# Altium PCB PCB22.PcbDoc (part 4 of 16) (continued)
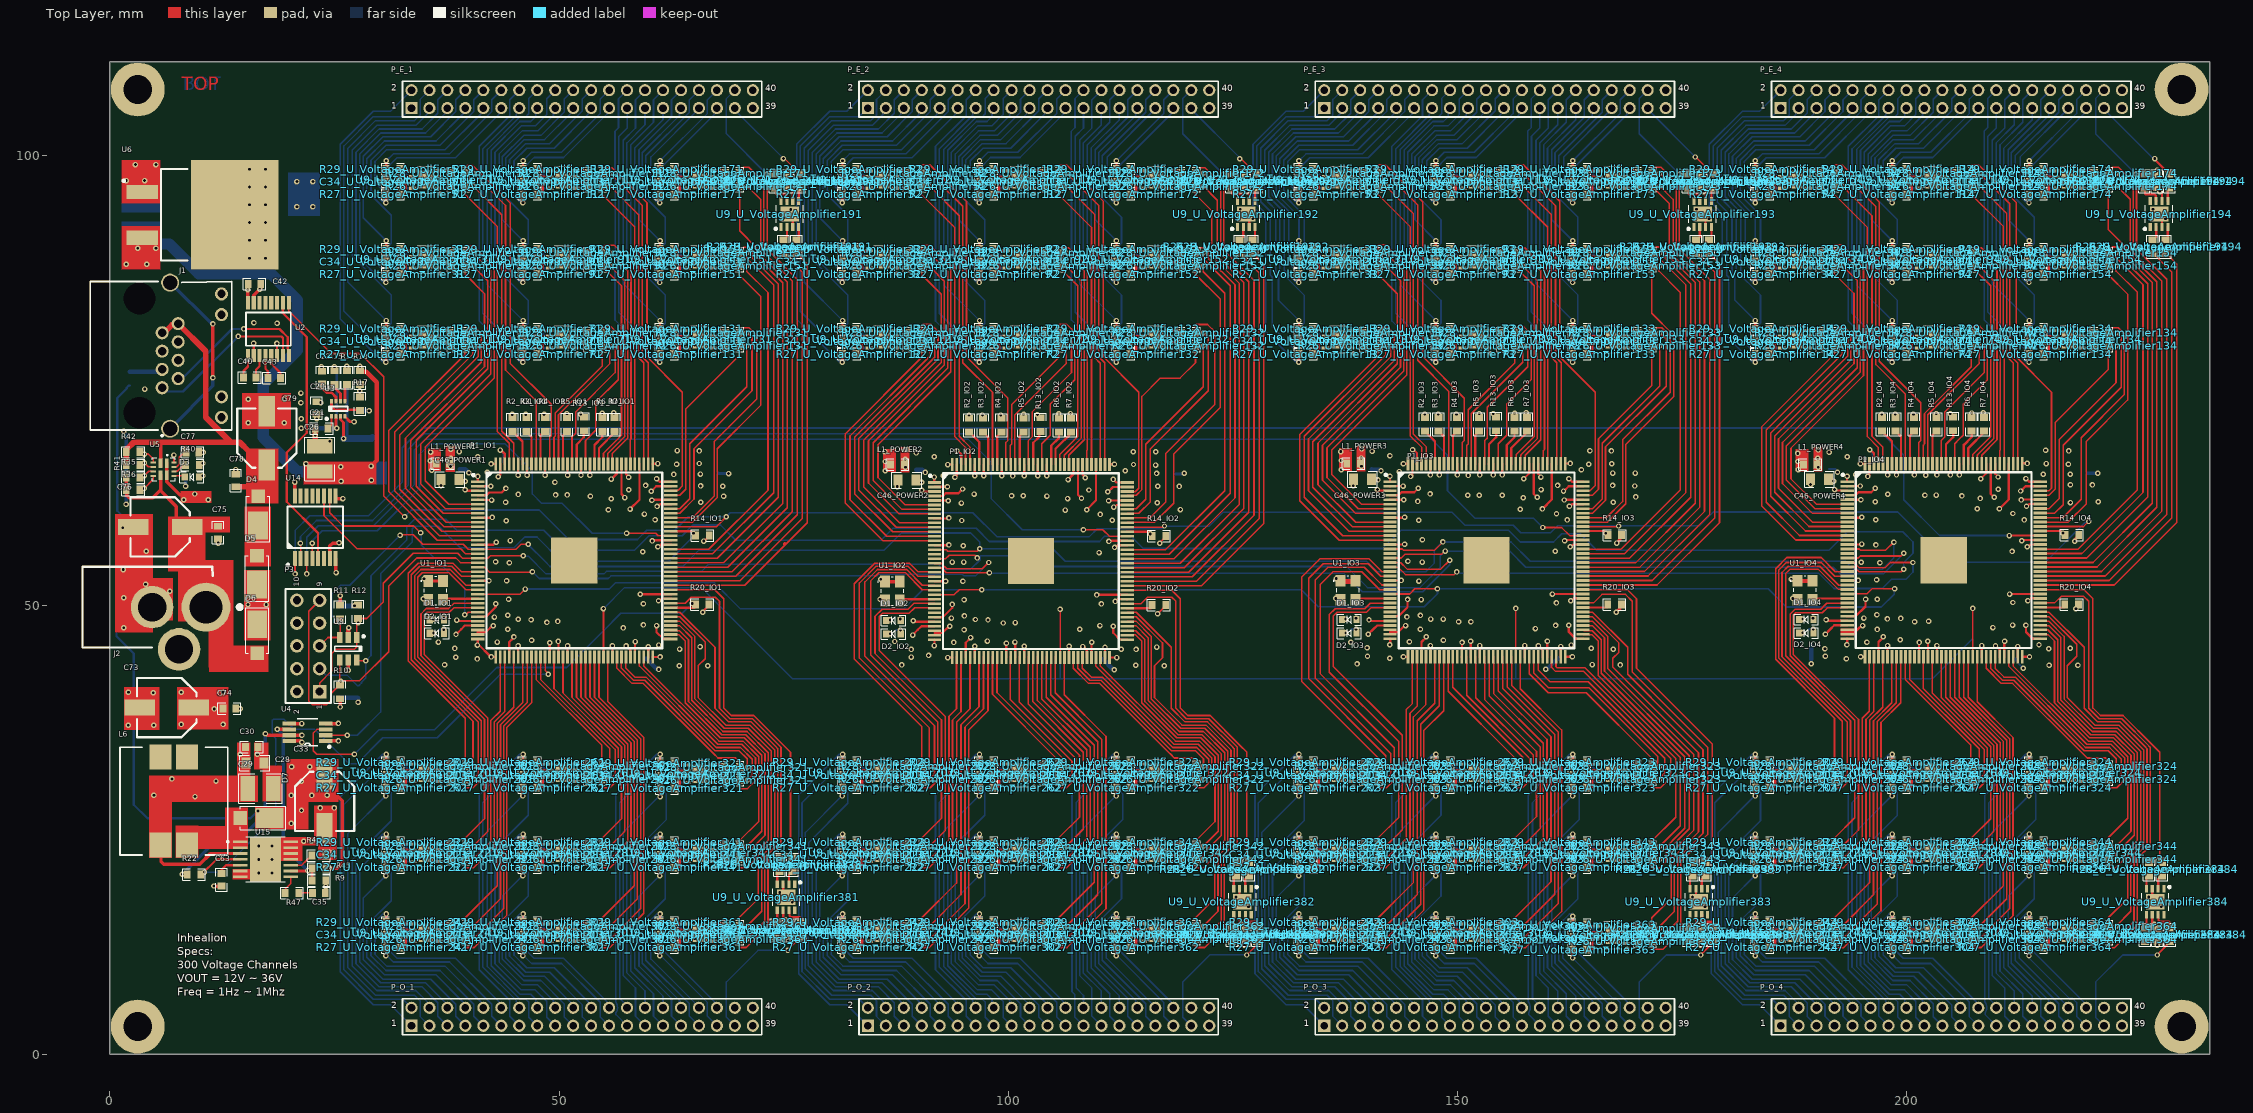
[diagram p0: Top Layer view]
## Components (designator, comment, footprint, x,y, rotation, side; value= is the part's Value field where it differs from the comment) (continued)
U1_IO2 "OSC-25" ASE-25.000MHZ-LC-T 87.085,51.58 r270 top value=25MHZ (schematic designator U1)
U1_IO3 "OSC-25" ASE-25.000MHZ-LC-T 137.807,51.667 r270 top value=25MHZ (schematic designator U1)
U1_IO4 "OSC-25" ASE-25.000MHZ-LC-T 188.683,51.671 r270 top value=25MHZ (schematic designator U1)
U2 "MAX3232CPWR" MAX3232CPWR 17.632,80.731 r90 top
U3 "MP2333HGTL" MP2333HGTL-P 25.421,71.876 r90 top value=3.3V
U4 "MCP4562" MCP4562T-503E/MS 21.983,35.854 r180 top value=50K
U5 "TPS2121" TPS2121RUXT 5.979,65.146 r270 top
U6 "LD1085D2T33R" LD1085D2T33R 13.871,93.456 r0 top value=3.3V
U8 "NUP4114" NUP4114HMR6T1G 26.524,45.153 r270 top value=TVS
U9_U_VoltageAmplifier11 "IX4427MTR" IX4427MTR 35.158,79.603 r180 top (schematic designator U9)
U9_U_VoltageAmplifier12 "IX4427MTR" IX4427MTR 85.958,79.603 r180 top (schematic designator U9)
U9_U_VoltageAmplifier13 "IX4427MTR" IX4427MTR 136.758,79.603 r180 top (schematic designator U9)
U9_U_VoltageAmplifier14 "IX4427MTR" IX4427MTR 187.558,79.603 r180 top (schematic designator U9)
U9_U_VoltageAmplifier21 "IX4427MTR" IX4427MTR 35.158,79.603 r180 bottom (schematic designator U9)
U9_U_VoltageAmplifier22 "IX4427MTR" IX4427MTR 85.958,79.603 r180 bottom (schematic designator U9)
U9_U_VoltageAmplifier23 "IX4427MTR" IX4427MTR 136.758,79.603 r180 bottom (schematic designator U9)
U9_U_VoltageAmplifier24 "IX4427MTR" IX4427MTR 187.558,79.603 r180 bottom (schematic designator U9)
U9_U_VoltageAmplifier31 "IX4427MTR" IX4427MTR 35.158,88.493 r180 top (schematic designator U9)
U9_U_VoltageAmplifier32 "IX4427MTR" IX4427MTR 85.958,88.493 r180 top (schematic designator U9)
U9_U_VoltageAmplifier33 "IX4427MTR" IX4427MTR 136.758,88.493 r180 top (schematic designator U9)
U9_U_VoltageAmplifier34 "IX4427MTR" IX4427MTR 187.558,88.493 r180 top (schematic designator U9)
U9_U_VoltageAmplifier41 "IX4427MTR" IX4427MTR 35.158,88.493 r180 bottom (schematic designator U9)
U9_U_VoltageAmplifier42 "IX4427MTR" IX4427MTR 85.958,88.493 r180 bottom (schematic designator U9)
U9_U_VoltageAmplifier43 "IX4427MTR" IX4427MTR 136.758,88.493 r180 bottom (schematic designator U9)
U9_U_VoltageAmplifier44 "IX4427MTR" IX4427MTR 187.558,88.493 r180 bottom (schematic designator U9)
U9_U_VoltageAmplifier51 "IX4427MTR" IX4427MTR 35.158,97.383 r180 top (schematic designator U9)
U9_U_VoltageAmplifier52 "IX4427MTR" IX4427MTR 85.958,97.383 r180 top (schematic designator U9)
U9_U_VoltageAmplifier53 "IX4427MTR" IX4427MTR 136.758,97.383 r180 top (schematic designator U9)
U9_U_VoltageAmplifier54 "IX4427MTR" IX4427MTR 187.558,97.383 r180 top (schematic designator U9)
U9_U_VoltageAmplifier61 "IX4427MTR" IX4427MTR 35.158,97.383 r180 bottom (schematic designator U9)
U9_U_VoltageAmplifier62 "IX4427MTR" IX4427MTR 85.958,97.383 r180 bottom (schematic designator U9)
U9_U_VoltageAmplifier63 "IX4427MTR" IX4427MTR 136.758,97.383 r180 bottom (schematic designator U9)
U9_U_VoltageAmplifier64 "IX4427MTR" IX4427MTR 187.558,97.383 r180 bottom (schematic designator U9)
U9_U_VoltageAmplifier71 "IX4427MTR" IX4427MTR 50.398,79.603 r180 top (schematic designator U9)
U9_U_VoltageAmplifier72 "IX4427MTR" IX4427MTR 101.198,79.603 r180 top (schematic designator U9)
U9_U_VoltageAmplifier73 "IX4427MTR" IX4427MTR 151.998,79.603 r180 top (schematic designator U9)
U9_U_VoltageAmplifier74 "IX4427MTR" IX4427MTR 202.798,79.603 r180 top (schematic designator U9)
U9_U_VoltageAmplifier81 "IX4427MTR" IX4427MTR 50.398,79.603 r180 bottom (schematic designator U9)
U9_U_VoltageAmplifier82 "IX4427MTR" IX4427MTR 101.198,79.603 r180 bottom (schematic designator U9)
U9_U_VoltageAmplifier83 "IX4427MTR" IX4427MTR 151.998,79.603 r180 bottom (schematic designator U9)
U9_U_VoltageAmplifier84 "IX4427MTR" IX4427MTR 202.798,79.603 r180 bottom (schematic designator U9)
U9_U_VoltageAmplifier91 "IX4427MTR" IX4427MTR 50.398,88.493 r180 top (schematic designator U9)
U9_U_VoltageAmplifier92 "IX4427MTR" IX4427MTR 101.198,88.493 r180 top (schematic designator U9)
U9_U_VoltageAmplifier93 "IX4427MTR" IX4427MTR 151.998,88.493 r180 top (schematic designator U9)
U9_U_VoltageAmplifier94 "IX4427MTR" IX4427MTR 202.798,88.493 r180 top (schematic designator U9)
U9_U_VoltageAmplifier101 "IX4427MTR" IX4427MTR 50.398,88.493 r180 bottom (schematic designator U9)
U9_U_VoltageAmplifier102 "IX4427MTR" IX4427MTR 101.198,88.493 r180 bottom (schematic designator U9)
U9_U_VoltageAmplifier103 "IX4427MTR" IX4427MTR 151.998,88.493 r180 bottom (schematic designator U9)
U9_U_VoltageAmplifier104 "IX4427MTR" IX4427MTR 202.798,88.493 r180 bottom (schematic designator U9)
U9_U_VoltageAmplifier111 "IX4427MTR" IX4427MTR 50.398,97.383 r180 top (schematic designator U9)
U9_U_VoltageAmplifier112 "IX4427MTR" IX4427MTR 101.198,97.383 r180 top (schematic designator U9)
U9_U_VoltageAmplifier113 "IX4427MTR" IX4427MTR 151.998,97.383 r180 top (schematic designator U9)
U9_U_VoltageAmplifier114 "IX4427MTR" IX4427MTR 202.798,97.383 r180 top (schematic designator U9)
U9_U_VoltageAmplifier121 "IX4427MTR" IX4427MTR 50.398,97.383 r180 bottom (schematic designator U9)
U9_U_VoltageAmplifier122 "IX4427MTR" IX4427MTR 101.198,97.383 r180 bottom (schematic designator U9)
U9_U_VoltageAmplifier123 "IX4427MTR" IX4427MTR 151.998,97.383 r180 bottom (schematic designator U9)
U9_U_VoltageAmplifier124 "IX4427MTR" IX4427MTR 202.798,97.383 r180 bottom (schematic designator U9)
U9_U_VoltageAmplifier131 "IX4427MTR" IX4427MTR 65.638,79.603 r180 top (schematic designator U9)
U9_U_VoltageAmplifier132 "IX4427MTR" IX4427MTR 116.438,79.603 r180 top (schematic designator U9)
U9_U_VoltageAmplifier133 "IX4427MTR" IX4427MTR 167.238,79.603 r180 top (schematic designator U9)
U9_U_VoltageAmplifier134 "IX4427MTR" IX4427MTR 218.038,79.603 r180 top (schematic designator U9)
U9_U_VoltageAmplifier141 "IX4427MTR" IX4427MTR 65.638,79.603 r180 bottom (schematic designator U9)
U9_U_VoltageAmplifier142 "IX4427MTR" IX4427MTR 116.438,79.603 r180 bottom (schematic designator U9)
U9_U_VoltageAmplifier143 "IX4427MTR" IX4427MTR 167.238,79.603 r180 bottom (schematic designator U9)
U9_U_VoltageAmplifier144 "IX4427MTR" IX4427MTR 218.038,79.603 r180 bottom (schematic designator U9)
U9_U_VoltageAmplifier151 "IX4427MTR" IX4427MTR 65.638,88.493 r180 top (schematic designator U9)
U9_U_VoltageAmplifier152 "IX4427MTR" IX4427MTR 116.438,88.493 r180 top (schematic designator U9)
U9_U_VoltageAmplifier153 "IX4427MTR" IX4427MTR 167.238,88.493 r180 top (schematic designator U9)
U9_U_VoltageAmplifier154 "IX4427MTR" IX4427MTR 218.038,88.493 r180 top (schematic designator U9)
U9_U_VoltageAmplifier161 "IX4427MTR" IX4427MTR 65.638,88.493 r180 bottom (schematic designator U9)
U9_U_VoltageAmplifier162 "IX4427MTR" IX4427MTR 116.438,88.493 r180 bottom (schematic designator U9)
U9_U_VoltageAmplifier163 "IX4427MTR" IX4427MTR 167.238,88.493 r180 bottom (schematic designator U9)
U9_U_VoltageAmplifier164 "IX4427MTR" IX4427MTR 218.038,88.493 r180 bottom (schematic designator U9)
U9_U_VoltageAmplifier171 "IX4427MTR" IX4427MTR 65.638,97.383 r180 top (schematic designator U9)
U9_U_VoltageAmplifier172 "IX4427MTR" IX4427MTR 116.438,97.383 r180 top (schematic designator U9)
U9_U_VoltageAmplifier173 "IX4427MTR" IX4427MTR 167.238,97.383 r180 top (schematic designator U9)
U9_U_VoltageAmplifier174 "IX4427MTR" IX4427MTR 218.038,97.383 r180 top (schematic designator U9)
U9_U_VoltageAmplifier181 "IX4427MTR" IX4427MTR 65.638,97.383 r180 bottom (schematic designator U9)
U9_U_VoltageAmplifier182 "IX4427MTR" IX4427MTR 116.438,97.383 r180 bottom (schematic designator U9)
U9_U_VoltageAmplifier183 "IX4427MTR" IX4427MTR 167.238,97.383 r180 bottom (schematic designator U9)
U9_U_VoltageAmplifier184 "IX4427MTR" IX4427MTR 218.038,97.383 r180 bottom (schematic designator U9)
U9_U_VoltageAmplifier191 "IX4427MTR" IX4427MTR 75.683,93.54 r90 top (schematic designator U9)
U9_U_VoltageAmplifier192 "IX4427MTR" IX4427MTR 126.483,93.54 r90 top (schematic designator U9)
U9_U_VoltageAmplifier193 "IX4427MTR" IX4427MTR 177.283,93.54 r90 top (schematic designator U9)
U9_U_VoltageAmplifier194 "IX4427MTR" IX4427MTR 228.083,93.54 r90 top (schematic designator U9)
U9_U_VoltageAmplifier201 "IX4427MTR" IX4427MTR 35.158,31.343 r180 top (schematic designator U9)
U9_U_VoltageAmplifier202 "IX4427MTR" IX4427MTR 85.958,31.343 r180 top (schematic designator U9)
U9_U_VoltageAmplifier203 "IX4427MTR" IX4427MTR 136.758,31.343 r180 top (schematic designator U9)
U9_U_VoltageAmplifier204 "IX4427MTR" IX4427MTR 187.558,31.343 r180 top (schematic designator U9)
U9_U_VoltageAmplifier211 "IX4427MTR" IX4427MTR 35.158,31.343 r180 bottom (schematic designator U9)
U9_U_VoltageAmplifier212 "IX4427MTR" IX4427MTR 85.958,31.343 r180 bottom (schematic designator U9)
U9_U_VoltageAmplifier213 "IX4427MTR" IX4427MTR 136.758,31.343 r180 bottom (schematic designator U9)
U9_U_VoltageAmplifier214 "IX4427MTR" IX4427MTR 187.558,31.343 r180 bottom (schematic designator U9)
U9_U_VoltageAmplifier221 "IX4427MTR" IX4427MTR 35.158,22.453 r180 top (schematic designator U9)
U9_U_VoltageAmplifier222 "IX4427MTR" IX4427MTR 85.958,22.453 r180 top (schematic designator U9)
U9_U_VoltageAmplifier223 "IX4427MTR" IX4427MTR 136.758,22.453 r180 top (schematic designator U9)
U9_U_VoltageAmplifier224 "IX4427MTR" IX4427MTR 187.558,22.453 r180 top (schematic designator U9)
U9_U_VoltageAmplifier231 "IX4427MTR" IX4427MTR 35.158,22.453 r180 bottom (schematic designator U9)
U9_U_VoltageAmplifier232 "IX4427MTR" IX4427MTR 85.958,22.453 r180 bottom (schematic designator U9)
U9_U_VoltageAmplifier233 "IX4427MTR" IX4427MTR 136.758,22.453 r180 bottom (schematic designator U9)
U9_U_VoltageAmplifier234 "IX4427MTR" IX4427MTR 187.558,22.453 r180 bottom (schematic designator U9)
U9_U_VoltageAmplifier241 "IX4427MTR" IX4427MTR 35.158,13.563 r180 top (schematic designator U9)
U9_U_VoltageAmplifier242 "IX4427MTR" IX4427MTR 85.958,13.563 r180 top (schematic designator U9)
U9_U_VoltageAmplifier243 "IX4427MTR" IX4427MTR 136.758,13.563 r180 top (schematic designator U9)
U9_U_VoltageAmplifier244 "IX4427MTR" IX4427MTR 187.558,13.563 r180 top (schematic designator U9)
U9_U_VoltageAmplifier251 "IX4427MTR" IX4427MTR 35.158,13.563 r180 bottom (schematic designator U9)
U9_U_VoltageAmplifier252 "IX4427MTR" IX4427MTR 85.958,13.563 r180 bottom (schematic designator U9)
U9_U_VoltageAmplifier253 "IX4427MTR" IX4427MTR 136.758,13.563 r180 bottom (schematic designator U9)
U9_U_VoltageAmplifier254 "IX4427MTR" IX4427MTR 187.558,13.563 r180 bottom (schematic designator U9)
U9_U_VoltageAmplifier261 "IX4427MTR" IX4427MTR 50.398,31.343 r180 top (schematic designator U9)
U9_U_VoltageAmplifier262 "IX4427MTR" IX4427MTR 101.198,31.343 r180 top (schematic designator U9)
U9_U_VoltageAmplifier263 "IX4427MTR" IX4427MTR 151.998,31.343 r180 top (schematic designator U9)
U9_U_VoltageAmplifier264 "IX4427MTR" IX4427MTR 202.798,31.343 r180 top (schematic designator U9)
U9_U_VoltageAmplifier271 "IX4427MTR" IX4427MTR 50.398,31.343 r180 bottom (schematic designator U9)
U9_U_VoltageAmplifier272 "IX4427MTR" IX4427MTR 101.198,31.343 r180 bottom (schematic designator U9)
U9_U_VoltageAmplifier273 "IX4427MTR" IX4427MTR 151.998,31.343 r180 bottom (schematic designator U9)
U9_U_VoltageAmplifier274 "IX4427MTR" IX4427MTR 202.798,31.343 r180 bottom (schematic designator U9)
U9_U_VoltageAmplifier281 "IX4427MTR" IX4427MTR 50.398,22.453 r180 top (schematic designator U9)
U9_U_VoltageAmplifier282 "IX4427MTR" IX4427MTR 101.198,22.453 r180 top (schematic designator U9)
U9_U_VoltageAmplifier283 "IX4427MTR" IX4427MTR 151.998,22.453 r180 top (schematic designator U9)
U9_U_VoltageAmplifier284 "IX4427MTR" IX4427MTR 202.798,22.453 r180 top (schematic designator U9)
U9_U_VoltageAmplifier291 "IX4427MTR" IX4427MTR 50.398,22.453 r180 bottom (schematic designator U9)
U9_U_VoltageAmplifier292 "IX4427MTR" IX4427MTR 101.198,22.453 r180 bottom (schematic designator U9)
U9_U_VoltageAmplifier293 "IX4427MTR" IX4427MTR 151.998,22.453 r180 bottom (schematic designator U9)
U9_U_VoltageAmplifier294 "IX4427MTR" IX4427MTR 202.798,22.453 r180 bottom (schematic designator U9)
U9_U_VoltageAmplifier301 "IX4427MTR" IX4427MTR 50.398,13.563 r180 top (schematic designator U9)
U9_U_VoltageAmplifier302 "IX4427MTR" IX4427MTR 101.198,13.563 r180 top (schematic designator U9)
U9_U_VoltageAmplifier303 "IX4427MTR" IX4427MTR 151.998,13.563 r180 top (schematic designator U9)
U9_U_VoltageAmplifier304 "IX4427MTR" IX4427MTR 202.798,13.563 r180 top (schematic designator U9)
U9_U_VoltageAmplifier311 "IX4427MTR" IX4427MTR 50.398,13.563 r180 bottom (schematic designator U9)
U9_U_VoltageAmplifier312 "IX4427MTR" IX4427MTR 101.198,13.563 r180 bottom (schematic designator U9)
U9_U_VoltageAmplifier313 "IX4427MTR" IX4427MTR 151.998,13.563 r180 bottom (schematic designator U9)
U9_U_VoltageAmplifier314 "IX4427MTR" IX4427MTR 202.798,13.563 r180 bottom (schematic designator U9)
U9_U_VoltageAmplifier321 "IX4427MTR" IX4427MTR 65.668,31.252 r180 top (schematic designator U9)
U9_U_VoltageAmplifier322 "IX4427MTR" IX4427MTR 116.438,31.343 r180 top (schematic designator U9)
U9_U_VoltageAmplifier323 "IX4427MTR" IX4427MTR 167.238,31.343 r180 top (schematic designator U9)
U9_U_VoltageAmplifier324 "IX4427MTR" IX4427MTR 218.038,31.343 r180 top (schematic designator U9)
U9_U_VoltageAmplifier331 "IX4427MTR" IX4427MTR 65.668,31.252 r180 bottom (schematic designator U9)
U9_U_VoltageAmplifier332 "IX4427MTR" IX4427MTR 116.438,31.343 r180 bottom (schematic designator U9)
U9_U_VoltageAmplifier333 "IX4427MTR" IX4427MTR 167.238,31.343 r180 bottom (schematic designator U9)
U9_U_VoltageAmplifier334 "IX4427MTR" IX4427MTR 218.038,31.343 r180 bottom (schematic designator U9)
U9_U_VoltageAmplifier341 "IX4427MTR" IX4427MTR 65.638,22.453 r180 top (schematic designator U9)
U9_U_VoltageAmplifier342 "IX4427MTR" IX4427MTR 116.438,22.453 r180 top (schematic designator U9)
U9_U_VoltageAmplifier343 "IX4427MTR" IX4427MTR 167.238,22.453 r180 top (schematic designator U9)
U9_U_VoltageAmplifier344 "IX4427MTR" IX4427MTR 218.038,22.453 r180 top (schematic designator U9)
U9_U_VoltageAmplifier351 "IX4427MTR" IX4427MTR 65.638,22.453 r180 bottom (schematic designator U9)
U9_U_VoltageAmplifier352 "IX4427MTR" IX4427MTR 116.438,22.453 r180 bottom (schematic designator U9)
U9_U_VoltageAmplifier353 "IX4427MTR" IX4427MTR 167.238,22.453 r180 bottom (schematic designator U9)
U9_U_VoltageAmplifier354 "IX4427MTR" IX4427MTR 218.038,22.453 r180 bottom (schematic designator U9)
U9_U_VoltageAmplifier361 "IX4427MTR" IX4427MTR 65.638,13.563 r180 top (schematic designator U9)
U9_U_VoltageAmplifier362 "IX4427MTR" IX4427MTR 116.438,13.563 r180 top (schematic designator U9)
U9_U_VoltageAmplifier363 "IX4427MTR" IX4427MTR 167.238,13.309 r180 top (schematic designator U9)
U9_U_VoltageAmplifier364 "IX4427MTR" IX4427MTR 218.038,13.563 r180 top (schematic designator U9)
U9_U_VoltageAmplifier371 "IX4427MTR" IX4427MTR 65.638,13.563 r180 bottom (schematic designator U9)
U9_U_VoltageAmplifier372 "IX4427MTR" IX4427MTR 116.438,13.563 r180 bottom (schematic designator U9)
U9_U_VoltageAmplifier373 "IX4427MTR" IX4427MTR 167.238,13.309 r180 bottom (schematic designator U9)
U9_U_VoltageAmplifier374 "IX4427MTR" IX4427MTR 218.038,13.563 r180 bottom (schematic designator U9)
U9_U_VoltageAmplifier381 "IX4427MTR" IX4427MTR 75.257,17.488 r270 top (schematic designator U9)
U9_U_VoltageAmplifier382 "IX4427MTR" IX4427MTR 126.057,16.98 r270 top (schematic designator U9)
U9_U_VoltageAmplifier383 "IX4427MTR" IX4427MTR 176.857,16.98 r270 top (schematic designator U9)
U9_U_VoltageAmplifier384 "IX4427MTR" IX4427MTR 227.657,16.98 r270 top (schematic designator U9)
U14 "74HC151DB,118" 74HC151DB,118 22.856,58.681 r90 top
U15 "TPS61175PWPR" TPS61175PWPR 17.314,21.713 r0 top

## Footprints (in the part's own frame and the unit in brackets; to place one, negate y for a bottom-side part, rotate by r counter-clockwise, add the part's x,y. Pads: shape width x height; smd on the part's side, far side on the other; paste and mask are expansions set on the pad)
10M04SCE144C8G [mm]
  rect 1.475x0.3 smd: 1(-10.738,8.75) 2(-10.738,8.25) 3(-10.738,7.75) 4(-10.738,7.25) 5(-10.738,6.75) 6(-10.738,6.25) 7(-10.738,5.75) 8(-10.738,5.25) 9(-10.738,4.75) 10(-10.738,4.25) 11(-10.738,3.75) 12(-10.738,3.25) 13(-10.738,2.75) 14(-10.738,2.25) 15(-10.738,1.75) 16(-10.738,1.25) 17(-10.738,0.75) 18(-10.738,0.25) 19(-10.738,-0.25) 20(-10.738,-0.75) 21(-10.738,-1.25) 22(-10.738,-1.75) 23(-10.738,-2.25) 24(-10.738,-2.75) 25(-10.738,-3.25) 26(-10.738,-3.75) 27(-10.738,-4.25) 28(-10.738,-4.75) 29(-10.738,-5.25) 30(-10.738,-5.75) 31(-10.738,-6.25) 32(-10.738,-6.75) 33(-10.738,-7.25) 34(-10.738,-7.75) 35(-10.738,-8.25) 36(-10.738,-8.75) 73(10.738,-8.75) 74(10.738,-8.25) 75(10.738,-7.75) 76(10.738,-7.25) 77(10.738,-6.75) 78(10.738,-6.25) 79(10.738,-5.75) 80(10.738,-5.25) 81(10.738,-4.75) 82(10.738,-4.25) 83(10.738,-3.75) 84(10.738,-3.25) 85(10.738,-2.75) 86(10.738,-2.25) 87(10.738,-1.75) 88(10.738,-1.25) 89(10.738,-0.75) 90(10.738,-0.25) 91(10.738,0.25) 92(10.738,0.75) 93(10.738,1.25) 94(10.738,1.75) 95(10.738,2.25) 96(10.738,2.75) 97(10.738,3.25) 98(10.738,3.75) 99(10.738,4.25) 100(10.738,4.75) 101(10.738,5.25) 102(10.738,5.75) 103(10.738,6.25) 104(10.738,6.75) 105(10.738,7.25) 106(10.738,7.75) 107(10.738,8.25) 108(10.738,8.75)
  rect 0.3x1.475 smd: 37(-8.75,-10.738) 38(-8.25,-10.738) 39(-7.75,-10.738) 40(-7.25,-10.738) 41(-6.75,-10.738) 42(-6.25,-10.738) 43(-5.75,-10.738) 44(-5.25,-10.738) 45(-4.75,-10.738) 46(-4.25,-10.738) 47(-3.75,-10.738) 48(-3.25,-10.738) 49(-2.75,-10.738) 50(-2.25,-10.738) 51(-1.75,-10.738) 52(-1.25,-10.738) 53(-0.75,-10.738) 54(-0.25,-10.738) 55(0.25,-10.738) 56(0.75,-10.738) 57(1.25,-10.738) 58(1.75,-10.738) 59(2.25,-10.738) 60(2.75,-10.738) 61(3.25,-10.738) 62(3.75,-10.738) 63(4.25,-10.738) 64(4.75,-10.738) 65(5.25,-10.738) 66(5.75,-10.738) 67(6.25,-10.738) 68(6.75,-10.738) 69(7.25,-10.738) 70(7.75,-10.738) 71(8.25,-10.738) 72(8.75,-10.738) 109(8.75,10.738) 110(8.25,10.738) 111(7.75,10.738) 112(7.25,10.738) 113(6.75,10.738) 114(6.25,10.738) 115(5.75,10.738) 116(5.25,10.738) 117(4.75,10.738) 118(4.25,10.738) 119(3.75,10.738) 120(3.25,10.738) 121(2.75,10.738) 122(2.25,10.738) 123(1.75,10.738) 124(1.25,10.738) 125(0.75,10.738) 126(0.25,10.738) 127(-0.25,10.738) 128(-0.75,10.738) 129(-1.25,10.738) 130(-1.75,10.738) 131(-2.25,10.738) 132(-2.75,10.738) 133(-3.25,10.738) 134(-3.75,10.738) 135(-4.25,10.738) 136(-4.75,10.738) 137(-5.25,10.738) 138(-5.75,10.738) 139(-6.25,10.738) 140(-6.75,10.738) 141(-7.25,10.738) 142(-7.75,10.738) 143(-8.25,10.738) 144(-8.75,10.738)
  rect 5.15x5.15 smd: 145(0,0)
  silkscreen extent -11.35,-9.78 9.78,9.78, body extent -11,-11 11,11, height 1.65
74HC151DB,118 [mm]
  rect 1.675x0.45 smd: 1(-3.488,2.275) 2(-3.488,1.625) 3(-3.488,0.975) 4(-3.488,0.325) 5(-3.488,-0.325) 6(-3.488,-0.975) 7(-3.488,-1.625) 8(-3.488,-2.275) 9(3.488,-2.275) 10(3.488,-1.625) 11(3.488,-0.975) 12(3.488,-0.325) 13(3.488,0.325) 14(3.488,0.975) 15(3.488,1.625) 16(3.488,2.275)
  silkscreen extent -4.32,-3.1 2.3,3.17, body extent -3.88,-3.1 3.88,3.1, height 2
0603C [mm]
  rect 0.762x0.9 smd: 1(-0.7,0) 2(0.7,0)
  silkscreen extent -1.27,-0.64 1.27,0.64, body extent -0.8,-0.4 0.8,0.4, height 0.93
0603L [mil]
  rect 30x35 smd: 1(30,0) 2(-30,0)
  silkscreen extent -50,-25 50,25, body extent -31,-16 32,16, height 31
0603R [mil]
  rect 30x35 smd: 1(30,0) 2(-30,0)
  silkscreen extent -50,-25 50,25, body extent -31,-17 31,17, height 18
0805C [mm]
  rect 1x1.25 smd: 1(-1,0) 2(1,0)
  silkscreen extent -1.65,-0.89 1.65,0.89, body extent -1,-0.6 1,0.6, height 0.91
1210C [mm]
  rect 1.6x2.794 smd: 1(-1.4,0) 2(1.4,0)
  silkscreen extent -2.41,-1.65 2.41,1.65, body extent -1.6,-1.25 1.6,1.25, height 2.5
ASE-25.000MHZ-LC-T [mm]
  rect 1.3x1.1 smd: 1(-1.05,-0.825) 2(1.05,-0.825) 3(1.05,0.825) 4(-1.05,0.825)
  silkscreen extent -1.6,-1.65 1.6,1.25, body extent -1.6,-1.26 1.6,1.26, height 1.1
CDRH124NP-220MC [mm]
  rect 2.45x2.8 smd: 1(-1.475,-4.9) 2(1.475,-4.9) 3(1.475,4.9) 4(-1.475,4.9)
  silkscreen extent -6,-6 6,6, body extent -6,-6.05 6,6.05, height 4.6
EEE-FN1J100L [mm]
  rect 3.4x1.8 smd: 1(-3,0) 2(3,0)
  silkscreen extent -3.3,-3.3 3.3,3.3, body extent -3.9,-3.4 3.9,3.4, height 6.1
HDR2X5 [mm] "Connector; Header; 5x2 Position"
  rect 1.5x1.5 hole 0.9: 1(0,0)
  round 1.5 hole 0.9: 2(0,2.54) 3(2.54,0) 4(2.54,2.54) 5(5.08,0) 6(5.08,2.54) 7(7.62,0) 8(7.62,2.54) 9(10.16,0) 10(10.16,2.54)
  silkscreen extent -1.27,-1.27 11.43,3.81
HDR2X20 [mm] "Connector; Header; 20x2 Position"
  rect 1.35x1.35 hole 0.85: 1(0,0)
  round 1.35 hole 0.85: 2(0,2) 3(2,0) 4(2,2) 5(4,0) 6(4,2) 7(6,0) 8(6,2) 9(8,0) 10(8,2) 11(10,0) 12(10,2) 13(12,0) 14(12,2) 15(14,0) 16(14,2) 17(16,0) 18(16,2) 19(18,0) 20(18,2) 21(20,0) 22(20,2) 23(22,0) 24(22,2) 25(24,0) 26(24,2) 27(26,0) 28(26,2) 29(28,0) 30(28,2) 31(30,0) 32(30,2) 33(32,0) 34(32,2) 35(34,0) 36(34,2) 37(36,0) 38(36,2) 39(38,0) 40(38,2)
  silkscreen extent -1,-1 39,3
IHLP1616BZER2R2M5A [mil]
  rect 90x120 smd: 1(0,0) 2(157.48,0)
  silkscreen extent -10,-85 165,85
IX4427MTR [mm]
  rect 0.85x0.35 smd: 1(-1.45,0.975) 2(-1.45,0.325) 3(-1.45,-0.325) 4(-1.45,-0.975) 5(1.45,-0.975) 6(1.45,-0.325) 7(1.45,0.325) 8(1.45,0.975)
  rect 1.7x2.05 smd: 9(0,0)
  silkscreen extent -1.78,-1.5 0.97,1.7, body extent -1.55,-1.5 1.55,1.5, height 0.9
LD1085D2T33R [mm]
  rect 3.5x1.6 smd: 1(-10.275,2.54) 3(-10.275,-2.54)
  rect 9.75x12.2 smd: 4(0,0)
  silkscreen extent -12.39,-5.1 -5.2,5.1, body extent -10.41,-3.25 -0.71,3.33, height 2.3
LED_0603 [mm]
  rect 0.7x0.8 smd: 1(-0.8,0) 2(0.8,0)
  silkscreen extent -1.35,-0.6 1.35,0.6, body extent -0.8,-0.4 0.8,0.4, height 0.75
MAX3232CPWR [mm]
  rect 1.475x0.45 smd: 1(-2.938,2.275) 2(-2.938,1.625) 3(-2.938,0.975) 4(-2.938,0.325) 5(-2.938,-0.325) 6(-2.938,-0.975) 7(-2.938,-1.625) 8(-2.938,-2.275) 9(2.938,-2.275) 10(2.938,-1.625) 11(2.938,-0.975) 12(2.938,-0.325) 13(2.938,0.325) 14(2.938,0.975) 15(2.938,1.625) 16(2.938,2.275)
  silkscreen extent -1.85,-2.5 1.85,2.5, body extent -3.2,-2.5 3.2,2.5, height 1.2
MCP4562T-503E/MS [mil]
  rect 60x18 smd: 1(-80,38) 2(-80,13) 3(-80,-13) 4(-80,-38) 5(80,-38) 6(80,-13) 7(80,13) 8(80,38)
  silkscreen extent -101,-59 45,69, body extent -99,-59 97,59, height 43
MP2333HGTL-P [mm]
  rect 0.475x0.3 smd: 1(-0.838,0.75) 2(-0.838,0.25) 3(-0.838,-0.25) 4(-0.838,-0.75) 5(0.838,-0.75) 6(0.838,-0.25) 7(0.838,0.25) 8(0.838,0.75)
  silkscreen extent -1.27,-1.05 0.25,1.42, body extent -0.8,-1.05 0.8,1.05, height 0.6
NUP4114HMR6T1G [mm]
  rect 1.25x0.6 smd: 1(-1.25,0.95) 2(-1.25,0) 3(-1.25,-0.95) 4(1.25,-0.95) 5(1.25,0) 6(1.25,0.95)
  silkscreen extent -1.5,-1.5 0.28,1.83, body extent -1.38,-1.5 1.38,1.5, height 1.1
PJ002BH [mm]
  round 5.46 hole 3.64: 1(0,0)
  round 4.74 hole 3.16: 2(6,0) 3(3,4.7)
  silkscreen extent -4,-4.5 13.75,4.5, body extent -0.73,-4.57 13.67,4.83, height 11.36
RJHSE5381 [mm]
  round 1.462 hole 0.94: 1(3.501,0.125) 2(2.481,1.905) 3(1.461,0.125) 4(0.441,1.905) 5(-0.579,0.125) 6(-1.599,1.905) 7(-2.619,0.125) 8(-3.639,1.905) 9(6.801,6.735) 10(4.511,6.735) 11(-4.649,6.735) 12(-6.939,6.735)
  round 2 hole 1.6: MH1(-8.199,1.015) MH2(8.061,1.015)
  round 1.65 hole 3.556 unplated: MH3(-6.419,-2.415) MH4(6.281,-2.415)
  silkscreen extent -8.32,-7.88 8.93,7.88, body extent -8.47,-8.13 8.36,8.08, height 16.37
TPS2121RUXT [mm]
  rect 1.05x0.4 smd: 1(-0.675,0.35) 2(-0.675,-0.35) 7(0.675,-0.35) 8(0.675,0.35)
  rect 0.2x0.6 smd: 3(-0.75,-1.15) 4(-0.25,-1.15) 5(0.25,-1.15) 6(0.75,-1.15) 9(0.75,1.15) 10(0.25,1.15) 11(-0.25,1.15) 12(-0.75,1.15)
  silkscreen extent -1.6,-1.27 1.27,1.27, body extent -1,-1.25 1,1.25, height 1.1
TPS61175PWPR [mm]
  rect 1.6x0.3 smd: 1(-2.8,1.95) 2(-2.8,1.3) 3(-2.8,0.65) 4(-2.8,0) 5(-2.8,-0.65) 6(-2.8,-1.3) 7(-2.8,-1.95) 8(2.8,-1.95) 9(2.8,-1.3) 10(2.8,-0.65) 11(2.8,0) 12(2.8,0.65) 13(2.8,1.3) 14(2.8,1.95)
  rect 3.4x5 smd: 15(0,0)
  round 0.44 hole 0.33: 16(-0.75,1.5) 17(0.75,1.5) 18(-0.75,0) 19(0.75,0) 20(-0.75,-1.5) 21(0.75,-1.5)
  silkscreen extent -4.3,-2.5 2.2,2.5, body extent -3.2,-2.5 3.2,2.5, height 1.2
V8PAM10SHM3H [mm]
  rect 3.1x2.2 smd: 1(-1.095,0)
  rect 1.5x1.52 smd: 2(2.125,0)
  silkscreen extent -2.92,-1.3 2.12,1.3, body extent -2.42,-1.3 2.73,1.3, height 1.1

## Part data
C1_IO1 C1_IO2 C1_IO3 C1_IO4 C4_POWER1 C4_POWER2 C4_POWER3 C4_POWER4 C5_POWER1 C5_POWER2 C5_POWER3 C5_POWER4 C6_POWER1 C6_POWER2 C6_POWER3 C6_POWER4 C9_POWER1 C9_POWER2 C9_POWER3 C9_POWER4 C12_POWER1 C12_POWER2 C12_POWER3 C12_POWER4 C13_POWER1 C13_POWER2 C13_POWER3 C13_POWER4 C15_POWER1 C15_POWER2 C15_POWER3 C15_POWER4 C16_POWER1 C16_POWER2 C16_POWER3 C16_POWER4 C17_POWER1 C17_POWER2 C17_POWER3 C17_POWER4 C23_POWER1 C23_POWER2 C23_POWER3 C23_POWER4 C24_POWER1 C24_POWER2 C24_POWER3 C24_POWER4 C45_POWER1 C45_POWER2 C45_POWER3 C45_POWER4 C48_POWER1 C48_POWER2 C48_POWER3 C48_POWER4 C49_POWER1 C49_POWER2 C49_POWER3 C49_POWER4 C51_POWER1 C51_POWER2 C51_POWER3 C51_POWER4 C52_POWER1 C52_POWER2 C52_POWER3 C52_POWER4 C57_POWER1 C57_POWER2 C57_POWER3 C57_POWER4 C58_POWER1 C58_POWER2 C58_POWER3 C58_POWER4 C59_POWER1 C59_POWER2 C59_POWER3 C59_POWER4 C60_POWER1 C60_POWER2 C60_POWER3 C60_POWER4 C61_POWER1 C61_POWER2 C61_POWER3 C61_POWER4 C62_POWER1 C62_POWER2 C62_POWER3 C62_POWER4 C64_POWER1 C64_POWER2 C64_POWER3 C64_POWER4 C65_POWER1 C65_POWER2 C65_POWER3 C65_POWER4 C66_POWER1 C66_POWER2 C66_POWER3 C66_POWER4 C67_POWER1 C67_POWER2 C67_POWER3 C67_POWER4: library part Cap, "Multilayer Ceramic Capacitors MLCC - SMD/SMT 0603 16VDC 0.1uF 10% X7R AEC-Q200", Mfr="Taiyo Yuden", Mfr Part No=EMK107B7104KAHT, Package=0603, PRICE=0.101, Stockiest=MOUSER, Stockiest Part No=963-EMK107B7104KAHT
C2_POWER1 C2_POWER2 C2_POWER3 C2_POWER4 C3_POWER1 C3_POWER2 C3_POWER3 C3_POWER4 C53_POWER1 C53_POWER2 C53_POWER3 C53_POWER4: library part Cap, "Multilayer Ceramic Capacitors MLCC - SMD/SMT 16V 0.01uF X7R 0603 10% AEC-Q200", Mfr=KEMET, Mfr Part No=C0603C103K4RECAUTO, Package=0603, PRICE=0.151, Stockiest=MOUSER, Stockiest Part No=80-C0603C103K4RECAUT
C7_POWER1 C7_POWER2 C7_POWER3 C7_POWER4 C47_POWER1 C47_POWER2 C47_POWER3 C47_POWER4 C54_POWER1 C54_POWER2 C54_POWER3 C54_POWER4 C68_POWER1 C68_POWER2 C68_POWER3 C68_POWER4: library part Cap, "Multilayer Ceramic Capacitors MLCC - SMD/SMT 16V 0.47uF 0603 X7R 5% AEC-Q200", Mfr=KEMET, Mfr Part No=C0603C474J4RACAUTO, Package=0603, PRICE=0.444, Stockiest=MOUSER, Stockiest Part No=80-C0603C474J4RAUTO
C8 C14 C19 C26 C27 C29: library part Cap, "Multilayer Ceramic Capacitors MLCC - SMD/SMT 1210 25VDC 22uF 20% X7R AEC-Q200", Mfr="Taiyo Yuden", Mfr Part No=TMK325B7226MMHP, Package=1210, PRICE=0.807, Stockiest=MOUSER, Stockiest Part No=963-TMK325B7226MMHP
C10_POWER1 C10_POWER2 C10_POWER3 C10_POWER4 C28 C46_POWER1 C46_POWER2 C46_POWER3 C46_POWER4 C55_POWER1 C55_POWER2 C55_POWER3 C55_POWER4 C69_POWER1 C69_POWER2 C69_POWER3 C69_POWER4 C70_POWER1 C70_POWER2 C70_POWER3 C70_POWER4: library part Cap, "Multilayer Ceramic Capacitors MLCC - SMD/SMT 0805 25VDC 10uF 20% X5R", Mfr="Taiyo Yuden", Mfr Part No=TMK212BBJ106MG-T, Package=0805, PRICE=0.232, Stockiest=MOUSER, Stockiest Part No=963-TMK212BBJ106MG-T
C11_POWER1 C11_POWER2 C11_POWER3 C11_POWER4 C56_POWER1 C56_POWER2 C56_POWER3 C56_POWER4 C71_POWER1 C71_POWER2 C71_POWER3 C71_POWER4 C72_POWER1 C72_POWER2 C72_POWER3 C72_POWER4: library part Cap, "Multilayer Ceramic Capacitors MLCC - SMD/SMT 1210 25VDC 22uF 20% X7R AEC-Q200", Mfr=TDK, Mfr Part No=C1608X5R1A226M080AC, Package=0603, PRICE=0.413, Stockiest=MOUSER, Stockiest Part No=810-C1608X5R1A226M
C18: library part Cap, "Multilayer Ceramic Capacitors MLCC - SMD/SMT 16volts 1uF X7R 10%", Mfr=KEMET, Mfr Part No=C0603C105K4RAC7411, Package=0603, PRICE=0.101, Stockiest=MOUSER, Stockiest Part No=80-C0603C105K4RLR